# Altium PCB MB988.PcbDoc (part 4 of 4)
Units mil, origin at the board's own origin, x right, y up, seen from the top; angles counter-clockwise.
Board outline 4505 x 6805 mil, 4 copper layers (TopLayer, VCC, GND, BottomLayer), stack 71.6 mil thick; 546 components, 390 nets, 1907 pads, 809 vias.
Unrouted connection lines stored in the file: 2.
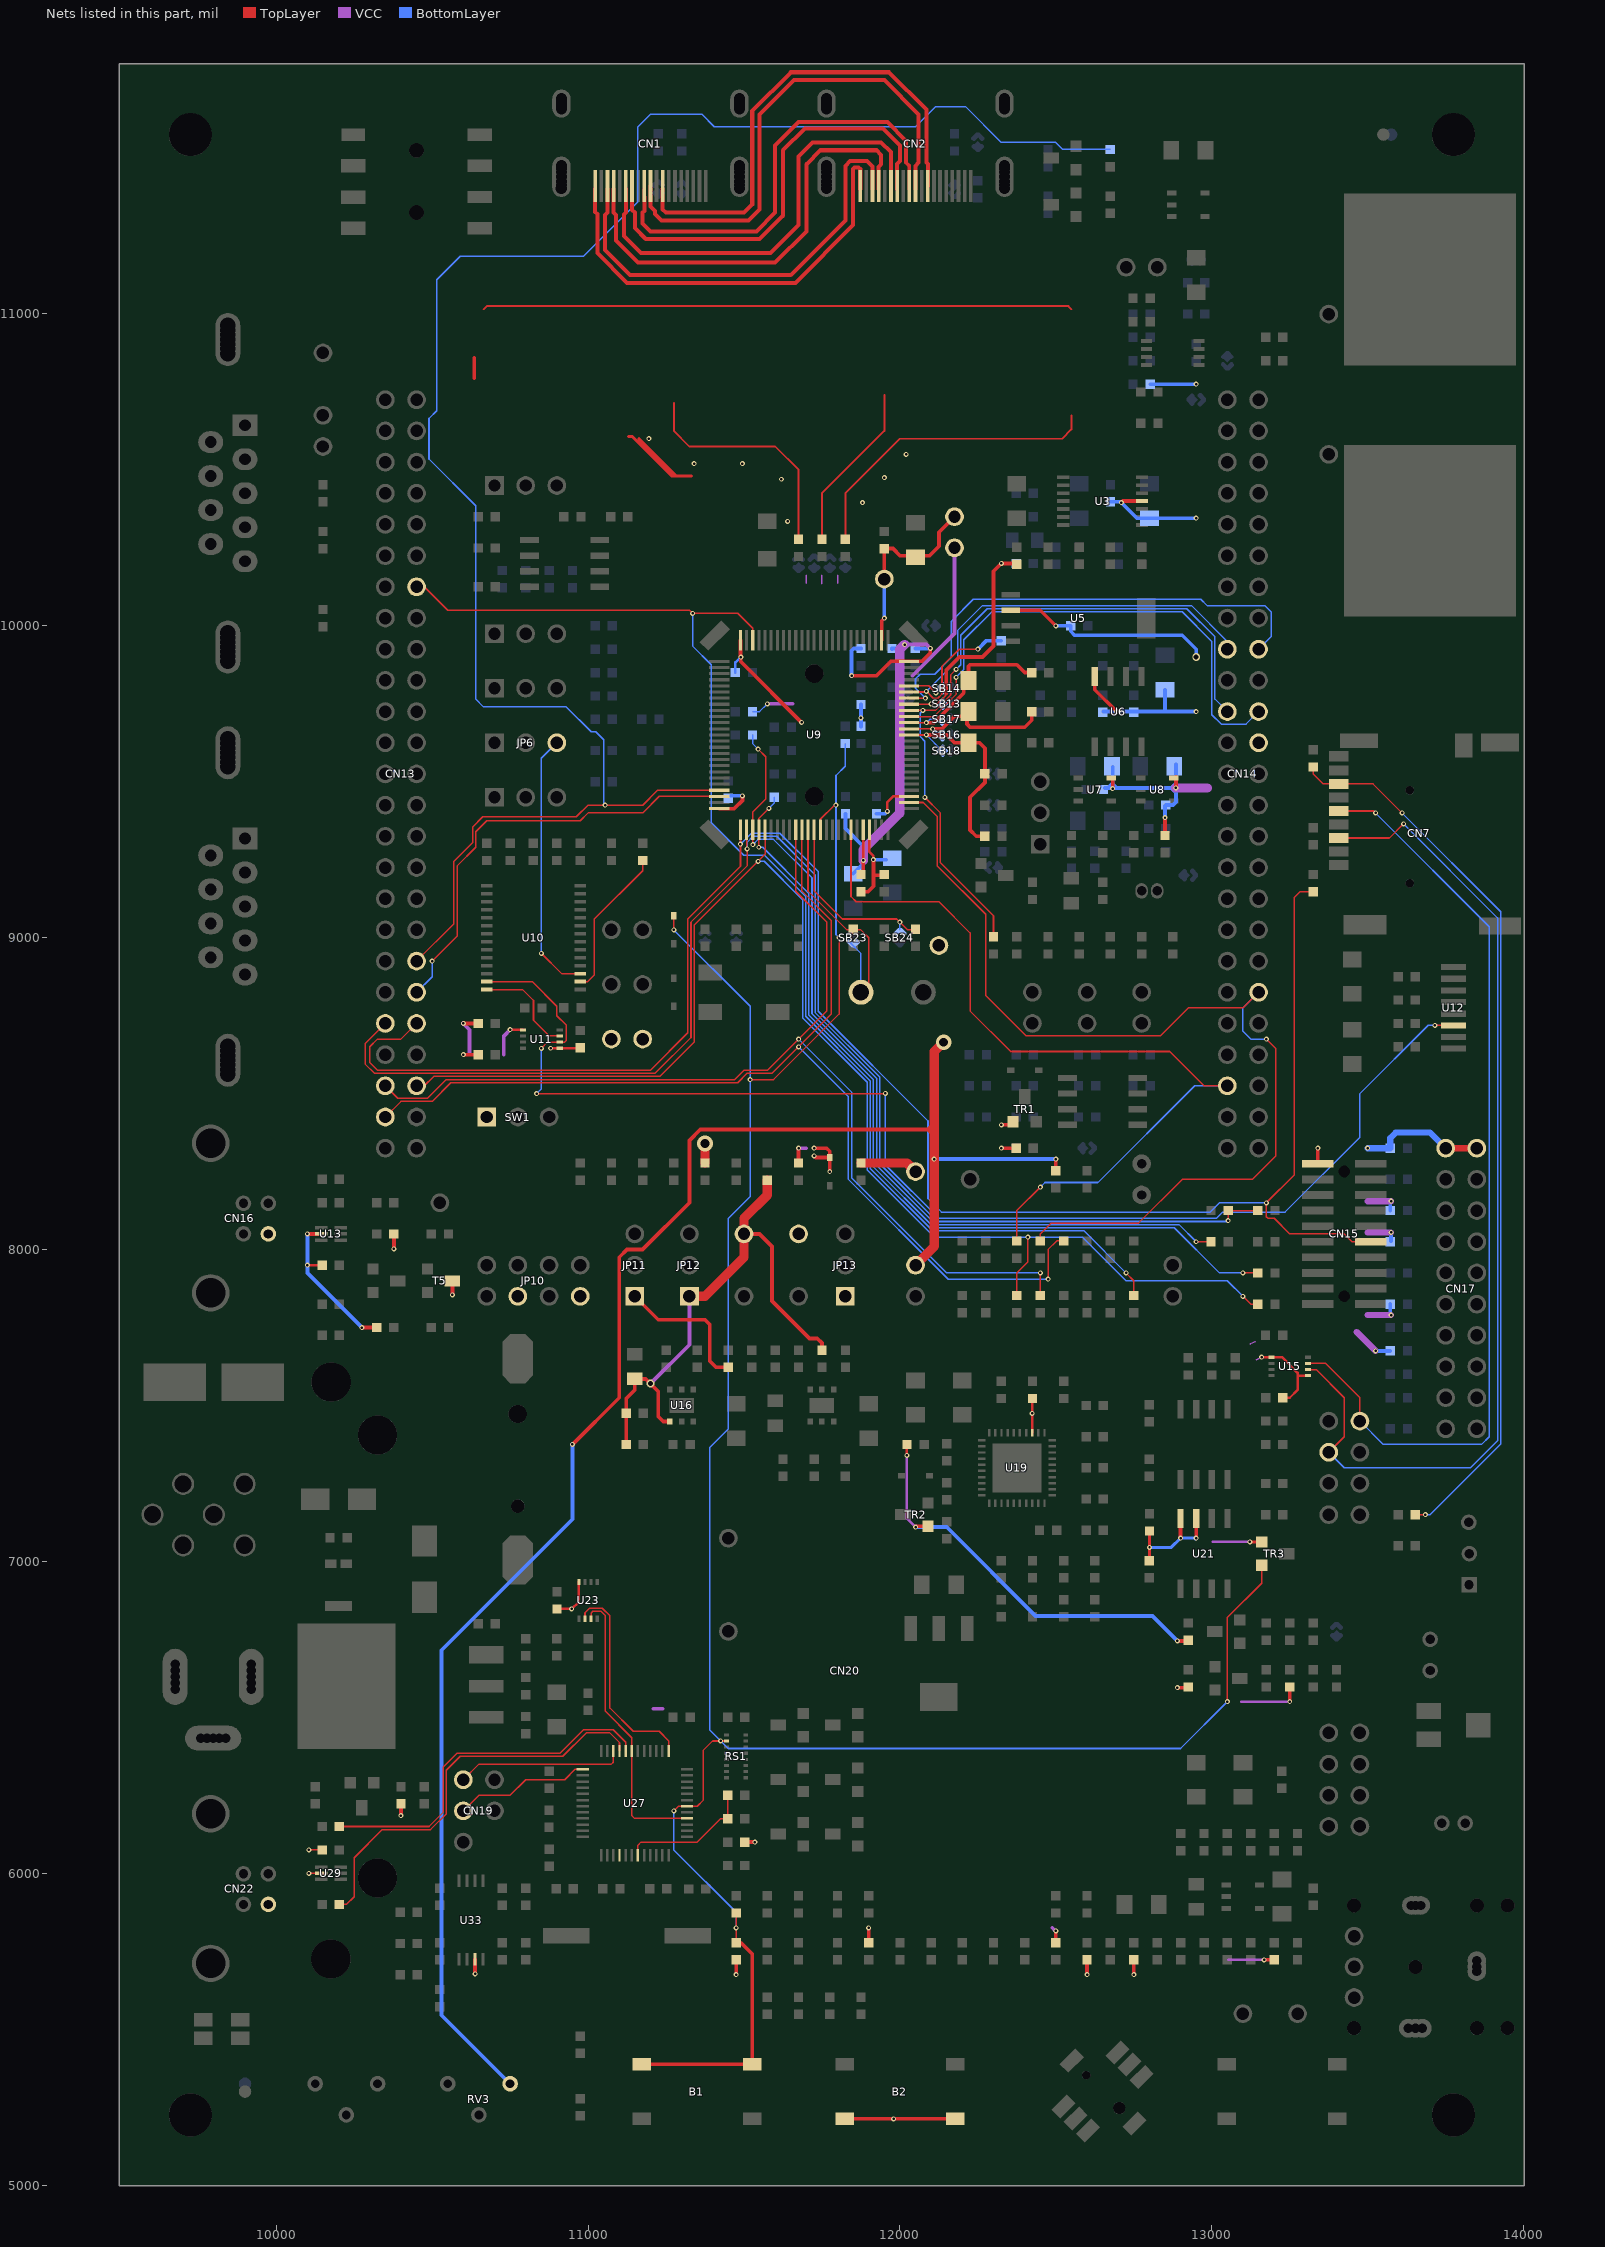
[diagram p6: the nets of this part, all layers, seen from the top]

## Via types
v1: diameter 16, hole 8, TopLayer to BottomLayer, tented both sides, 786 vias
v2: diameter 25, hole 16, TopLayer to BottomLayer, tented both sides, 20 vias
v3: diameter 50, hole 28, TopLayer to BottomLayer, tented both sides, 3 vias

## Nets (pads, with @x,y where several pads share a name; then routed paths per layer and width w, separated by ;. In a path a pad name is that pad's centre, name@x,y a point inside that pad or via, vN(x,y) a via of type N, cw(c..) or ccw(c..) an arc to the next point about the centre after c; other vN are vias at no path point) (continued)
PE0: CN13.38 R176.1 U9.97 | length 6058.2
  TopLayer w5: CN13.38@10450,8925 10570,9045 10570,9245 10630,9305 10630,9355 10662.5,9387.5 10962.5,9387.5 11000,9425 11175,9425 11222.83,9472.83 U9.97@11420.87,9472.83
  BottomLayer w5: v1(11055,9425) 11050,9430 11050,9635 11025,9660 11010,9660 10930,9740 10665,9740 10640,9765 10640,10385 10490,10535 10490,10665 10515,10690 10515,11110 10590,11185 10985,11185 11160,11360 11160,11600 11200,11640 11365,11640 11405,11600 12050,11600 12115,11665 12210,11665 12325,11550 12500,11550 12522.5,11527.5 R176.1@12675,11527.5
PE1: CN13.40 U9.98 | length 1421.4
  TopLayer w5: v1(10500,8925) 10580,9005 10580,9230 10640,9290 10640,9340 10675,9375 10975,9375 11000,9400 11175,9400 11228.15,9453.15 U9.98@11420.87,9453.15
  BottomLayer w5: CN13.40@10450,8825 10500,8875 v1(10500,8925)
PE2: CN13.42 CN15.12 R35.2 U9.1 | length 6154.1
  TopLayer w5: CN13.42@10450,8725 10400,8675 10325,8675 10300,8650 10300,8600 10325,8575 11200,8575 11320,8695 11320,9060 11488.78,9228.78 U9.1@11488.78,9345.87 ; R35.2@13325,9147.5 13282.5,9147.5 13265,9130 13265,8240 v1(13175,8150) 13175,8105 13180,8100 13200,8100 13250,8050 13425,8050 13450,8025 CN15.12@13510,8025
  BottomLayer w5: v1(11488.78,9300) 11523.78,9335 11615,9335 11738,9212 11738,8764.28 12090,8412.28 12090,8163.28 12133.28,8120 12995,8120 13025,8150 v1(13175,8150)
PE3: CN13.41 R60.2 R64.2 U9.2 | length 4638.8
  TopLayer w5: CN13.41@10350,8725 10285,8660 10285,8595 10315,8565 11215,8565 11330,8680 11330,9050 11510,9230 v1(11510,9285) 11508.46,9283.46 U9.2@11508.46,9345.87 ; v1(13052.5,8092.5) R60.2@13052.5,8125 R64.2@13147.5,8125
  BottomLayer w5: v1(11510,9285) 11510,9305 11530,9325 11605,9325 11728,9202 11728,8760.14 11935,8553.14 11935,8275 12120,8090 13050,8090 v1(13052.5,8092.5)
PE4: R29.2 R72.2 U9.3 | length 2816.3
  TopLayer w5: v1(11528.15,9298.15) 11528.15,9403.15 11570,9445 11570,9580 v1(11545,9605) ; v1(12950,8025) R72.2@12997.5,8025
  BottomLayer w5: R29.2@11527.5,9650 11527.5,9622.5 v1(11545,9605) ; v1(11528.15,9298.15) 11545,9315 11595,9315 11718,9192 11718,8756 11925,8549 11925,8270 12115,8080 12895,8080 v1(12950,8025)
PE5: R73.2 R83.2 U9.4 | length 2738.1
  TopLayer w5: v1(11547.83,9290) 11547.83,9382.83 v1(11580,9415) ; v1(13100,7925) R83.2@13147.5,7925
  BottomLayer w5: v1(11547.83,9290) 11560,9290 11708,9142 11708,8751.85 11915,8544.85 11915,8265 12110,8070 12880,8070 13025,7925 v1(13100,7925) ; v1(11580,9415) 11597.5,9432.5 R73.2@11597.5,9450
PE6: CN13.46 R85.2 R89.2 U9.5 | length 4502.4
  TopLayer w5: CN13.46@10450,8525 10475,8525 10505,8555 11230,8555 11340,8665 11340,9040 11567.52,9267.52 U9.5@11567.52,9345.87 ; R89.2@12375,7852.5 12375,7925 12410,7960 v1(12410,8040) ; v1(13100,7850) 13125,7825 R85.2@13147.5,7825
  BottomLayer w5: v1(11545,9245) 11565,9245 11688,9122 11688,8743.57 11895,8536.57 11895,8255 12110,8040 12585,8040 12725,7900 13050,7900 v1(13100,7850)
PE7: C11.1 C17.2 R34.1 SB18.2 U9.38 | length 665.4
  TopLayer w5: U9.38@12029.13,9650 v1(12085,9650)
  TopLayer w12: v1(12085,9650) 12150,9650 12175,9625 12255,9625 12272.5,9607.5 12272.5,9497.5 12225,9450 12225,9345 12245,9325 R34.1@12272.5,9325
  BottomLayer w5: v1(12085,9650) SB18.2@12132,9603
PE8: C10.1 R23.1 SB16.1 U9.39 | length 519.2
  TopLayer w5: U9.39@12029.13,9669.68 v1(12105,9669.68)
  TopLayer w12: v1(12105,9669.68) 12134.68,9669.68 12175,9710 C10.1@12220,9710 ; C10.1@12215,9710 12215,9685 12225,9675 12400,9675 12422.5,9697.5 R23.1@12422.5,9725
  BottomLayer w5: v1(12105,9669.68) SB16.1@12132,9642.68
PE9: C9.1 R21.1 SB17.1 U9.40 | length 570.1
  TopLayer w5: U9.40@12029.13,9689.37 v1(12085,9689.37)
  TopLayer w12: v1(12085,9689.37) 12109.37,9689.37 12205,9785 C9.1@12205,9825 ; C9.1@12220,9825 12220,9870 12225,9875 12375,9875 12400,9850 R21.1@12422.5,9850
  BottomLayer w5: v1(12085,9689.37) 12095.63,9700 12124,9700 SB17.1@12132,9708
PE10: CN14.22 U9.41 | length 1651.2
  TopLayer w5: U9.41@12029.13,9709.06 12109.06,9709.06 12180,9780 v1(12180,9835)
  BottomLayer w5: v1(12180,9835) 12205,9860 12205,9955 12295,10045 12905,10045 13000,9950 13000,9715 13030,9685 13110,9685 CN14.22@13150,9725
PE11: CN14.21 R39.1 U9.42 | length 2330.8
  TopLayer w5: U9.42@12029.13,9728.74 12113.74,9728.74 12162.4,9777.4 12162.4,9842.4 v1(12180,9860) ; v1(12080,9450) 12130,9400 12130,9240 12300,9070 R39.1@12300,9002.5
  BottomLayer w5: v1(12073.74,9728.74) 12065,9720 12065,9645 12080,9630 v1(12080,9450) ; v1(12180,9860) 12195,9875 12195,9970 12280,10055 12920,10055 13010,9965 13010,9765 CN14.21@13050,9725
PE12: R14.1 R183.1 SB13.2 U9.43 | length 797.8
  TopLayer w5: U9.43@12029.13,9748.42 v1@12100,9748.42 ; v1(12100,9750) 12120,9750 12145,9775 12145,9782.59 ; R14.1@12372.5,10197.5 R14.1@12375,10197.5
  TopLayer w12: 12148.5,9782.59 12148.5,9858.5 12190,9900 12265,9900 12300,9935 12300,10175 v1(12325,10200) R14.1@12372.5,10200
  BottomLayer w5: v1(12100,9750) SB13.2@12132,9750 ; v1(12325,10200) R183.1@12372.5,10200
PE13: CN14.18 U9.44 | length 1593.8
  TopLayer w5: U9.44@12029.13,9768.11 v1@12081.2,9768.11
  BottomLayer w5: v1(12081.55,9768.45) 12050,9800 12050,9830 12065,9845 12111.72,9845 12165,9898.28 12165,10015 12235,10085 12965,10085 12985,10065 13170,10065 13190,10045 13190,9965 CN14.18@13150,9925
PE14: CN14.17 R196.1 U9.45 | length 1641.5
  TopLayer w5: U9.45@12029.13,9787.8 12082.8,9787.8 v1(12085,9790) 12107.24,9767.76 12121.22,9767.76 12135,9781.54 12135,9870 12190,9925 v1(12250,9925)
  BottomLayer w5: v1(12085,9790) 12185,9890 12185,9985 12265,10065 12935,10065 13050,9950 CN14.17@13050,9925
  BottomLayer w12: v1(12250,9925) 12277.5,9952.5 R196.1@12325,9952.5
PE15: SB14.2 U9.46 | length 116.4
  TopLayer w5: U9.46@12029.13,9807.48 12092.52,9807.48 v1(12115,9785)
  BottomLayer w5: v1(12115,9785) SB14.2@12130,9800
PF0: C18.1 SB23.1 U9.12 X2.2 | length 808.9
  TopLayer w5: U9.12@11705.31,9345.87 11705.31,9149.69 11830,9025 11875,9025 11900,9000 11900,8850 X2.2@11875,8825
  BottomLayer w5: SB23.1@11842,8982 11875,8949 X2.2@11875,8825
PF1: R38.1 SB24.1 U9.13 | length 595.1
  TopLayer w5: U9.13@11725,9345.87 11725,9150 11815,9060 11990,9060 12025,9025 R38.1@12047.5,9025
  BottomLayer w5: SB24.1@12000,9025 v1(12000,9050)
PF2: CN14.45 R67.2 U9.19 | length 2756.9
  TopLayer w5: U9.19@11843.11,9345.87 11843.11,9131.89 11860,9115 12125,9115 12225,9015 12225,8765 12355,8635 12865,8635 12975,8525 CN14.45@13050,8525 ; R67.2@12375,8027.5 12375,8125 v1(12450,8200)
  BottomLayer w5: v1(12450,8200) 12465,8215 12635,8215 12945,8525 CN14.45@13050,8525
PF4: CN14.40 R68.2 U9.27 | length 3233.6
  TopLayer w5: U9.27@12029.13,9433.47 12075,9433.47 12120,9388.47 12120,9230 12275,9075 12275,8815 12405,8685 12835,8685 12925,8775 13100,8775 CN14.40@13150,8825 ; R68.2@12450,8027.5 12450,8050 12485,8085 12765,8085 12905,8225 13130,8225 13205,8300 13205,8645 v1(13175,8675)
  BottomLayer w5: CN14.40@13150,8825 13100,8775 13100,8700 13125,8675 v1(13175,8675)
PF6: CN13.14 R96.2 U9.73 | length 4267.3
  TopLayer w5: CN13.14@10450,10125 10475,10125 10550,10050 11325,10050 v1(11335,10040) 11480,10040 11528.15,9991.85 U9.73@11528.15,9954.13 ; v1(12725,7925) 12750,7900 R96.2@12750,7852.5
  BottomLayer w5: v1(11335,10040) 11335,9935 11395,9875 11395,9369.14 11499.57,9264.57 11565.43,9264.57 11698,9132 11698,8747.71 11905,8540.71 11905,8260 12105,8060 12590,8060 v1(12725,7925)
PF9: CN13.45 R91.2 U9.10 | length 3488.7
  TopLayer w5: CN13.45@10350,8525 10390,8485 10485,8485 10545,8545 11470,8545 11500,8575 11575,8575 11765,8765 11765,9050 11665.94,9149.06 U9.10@11665.94,9345.87 ; R91.2@12450,7852.5 v1(12450,7925)
  BottomLayer w5: v1(11675,8675) 11845,8505 11845,8230 12150,7925 v1(12450,7925)
PF10: CN13.47 R69.2 U9.11 | length 3616.9
  TopLayer w5: CN13.47@10350,8425 10400,8475 10500,8475 10560,8535 11480,8535 11510,8565 11590,8565 11780,8755 11780,9055 11685.63,9149.37 U9.11@11685.63,9345.87 ; v1(12475,7905) 12475,8000 12502.5,8027.5 R69.2@12525,8027.5
  BottomLayer w5: v1(11675,8650) 11835,8490 11835,8225 12155,7905 v1(12475,7905)
RESET#: B1.2 B1.3 C77.2 D1.1 R155.1 R203.2 RS1.3 TR3.1 U9.14 U27.18 | length 8053.2
  TopLayer w5: v1(11275,6200) 11290.16,6215.16 11350.16,6215.16 11370,6235 11370,6395 11399.21,6424.21 RS1.3@11444,6424.21 ; v1(11275,9025) D1.1@11275,9070 ; R155.1@11474.72,5777.78 C77.2@11474.72,5872.56 ; v1(11520,8545) 11595,8545 11805,8755 v1(11805,9000) ; U9.14@11744.68,9330 11744.68,9379.68 11790,9425 v1(11795,9425) ; v1(13050,6550) 13050,6820 13160,6930 TR3.1@13160,6987.5
  TopLayer w12: B1.2@11171.83,5387.5 B1.3@11526.17,5387.5 11526.17,5741.33 11490,5777.5 R155.1@11475,5777.5
  BottomLayer w5: v1(11275,6200) 11275,6075 11475,5875 v1(11475,5825) ; v1(11275,9025) 11520,8780 11520,8170 11450,8100 11450,7425 11390,7365 11390,6459.21 11449.21,6400 12900,6400 v1(13050,6550) ; v1(11795,9425) 11795.06,9425.06 11795.06,9520.06 11825,9550 R203.2@11825,9622.5 ; v1@11795.06,9425 11795.06,9009.94 v1(11805,9000)
  other v1: 11425,6424.21
SAR_VREF+: C20.2 C116.1 JP17.2 R32.2 TP5.1 U9.22 | length 772.2
  TopLayer w8: U9.22@11902.16,9345.87 11902.16,9275 11915,9262.16 v1(11915,9250)
  TopLayer w12: R32.2@11875,9147.5 11897.5,9147.5 11915,9165 v1(11915,9250) ; 11915,9200 C20.2@11947.85,9200
  VCC w12: 12040,9840 12175,9975 JP17.2@12175,10250
  BottomLayer w12: v1(11915,9250) C116.1@11955,9250
SD_VREF+: C4.2 C8.1 JP17.1 TP4.1 U9.52 | length 609.8
  TopLayer w12: U9.52@11941.53,9954.13 11941.53,10016.53 v1(11950,10025) ; TP4.1@11950,10150 11949.72,10150.28 C4.2@11949.72,10247.56 11977.44,10247.56 12000,10225 12095,10225 12125,10255 12125,10300 JP17.1@12175,10350
  BottomLayer w12: v1(11950,10025) TP4.1@11950,10150
SLD_1: R13.2 | length 2962.7
  TopLayer w6: 10665,11015 10675,11025 12540,11025 12550,11015 ; R13.2@11825,10277.5 11825,10425 12000,10600 12520,10600 12550,10630 12550,10675
  TopLayer w10: 10635,10793 10635,10860
SLD_2: R12.2 | length 545.3
  TopLayer w6: R12.2@11750,10277.5 11750,10425 11950,10625 11950,10740
SLD_3: R11.2 | length 764.3
  TopLayer w6: 11275,10715 11275,10625 11325,10575 11600,10575 11675,10500 R11.2@11675,10277.5
SPI3_MISO_3V3: CN7.7 R24.2 R247.2 | length 2881.7
  TopLayer w5: R24.2@13325,9547.5 13325,9525 13357.09,9492.91 13517.09,9492.91 v1(13610,9400) ; R247.2@13652.5,7150 v1(13685,7150)
  BottomLayer w5: v1(13610,9400) 13926.5,9083.5 13926.5,7376.5 13700,7150 v1(13685,7150)
SPI3_MOSI_3V3: CN7.3 CN20.3 U15.6 | length 3277.5
  TopLayer w5: U15.6@13309.06,7615.16 13334.84,7615.16 13425,7525 13425,7400 CN20.3@13375,7350 ; CN7.3@13406.65,9319.69 13569.69,9319.69 v1(13615,9365)
  BottomLayer w5: CN20.3@13375,7350 13425,7300 13830,7300 13916.5,7386.5 13916.5,9063.5 v1(13615,9365)
SPI3_SCK_3V3: CN7.5 CN20.2 U15.7 | length 3015
  TopLayer w5: U15.7@13309.06,7634.84 13365.16,7634.84 13475,7525 CN20.2@13475,7450 ; CN7.5@13406.65,9406.3 13518.7,9406.3 v1(13525,9400)
  BottomLayer w5: CN20.2@13475,7450 13550,7375 13865,7375 13890,7400 13890,9035 v1(13525,9400)
STL_USB_DM: R130.1 U27.32 | length 1175.6
  TopLayer w5: R130.1@10202.5,6150 10490,6150 10535,6195 10535,6340 10580,6385 10910,6385 10985,6460 11080.47,6460 11120.47,6420 U27.32@11120.47,6392.32
STL_USB_DP: R142.1 U27.33 | length 1321
  TopLayer w5: R142.1@10202.5,5900 10225,5900 10250,5925 10250,6050 10340,6140 10495,6140 10545,6190 10545,6330 10590,6375 10919.14,6375 10994.14,6450 11070,6450 11100.79,6419.21 U27.33@11100.79,6392.32
STM_JTCK_SWCLK: CN19.3 U27.37 | length 437.9
  TopLayer w5: CN19.3@10600,6200 10650,6250 10750,6250 10800,6300 10925,6300 10958.27,6333.27 U27.37@10982.68,6333.27
STM_JTMS_SWDIO: CN19.1 U27.34 | length 540.6
  TopLayer w5: CN19.1@10600,6300 10650,6350 11075,6350 11081.1,6356.1 U27.34@11081.1,6392.32
STM_RST: C63.2 R133.1 U27.7 | length 430.3
  TopLayer w5: U27.7@11159.84,6057.68 11159.84,6089.84 11170,6100 11350,6100 11425,6175 R133.1@11447.5,6175 ; R133.1@11447.56,6175.06 C63.2@11447.56,6250.28
SWIM_PU_CTRL: U27.4
T_SWDIO_IN: U23.2 U27.25 | length 675.5
  TopLayer w5: U23.2@10990.16,6815.94 10990.16,6835.16 11005,6850 11045.86,6850 11070,6825.86 11070,6530 11145,6455 11228.27,6455 11258.27,6425 U27.25@11258.27,6392.32
T_SWO: U23.3 U27.16 U27.31 | length 929.8
  TopLayer w5: U23.3@11009.84,6815.94 11009.84,6834.84 11015,6840 11041.72,6840 11055,6826.72 11055,6520 11140.16,6434.84 11140.16,6184.84 11149.21,6175.79 U27.16@11317.32,6175.79
"TMDS CLOCK+": CN1.10 CN2.10 | length 1604.3
  TopLayer w13: CN1.10@11200,11410 11200,11345 11214.74,11330.26 11214.74,11320.26 11235,11300 11515,11300 11550,11335 11550,11640 11660,11750 11950,11750 12060,11640 12060,11485 12050,11475 CN2.10@12050,11400
"TMDS CLOCK-": CN1.12 CN2.12 | length 1573.1
  TopLayer w13: CN1.12@11239.37,11400 11239.37,11335.63 11250,11325 11500,11325 11526.46,11351.46 11526.46,11651.46 11650,11775 11965,11775 12085,11655 12085,11485 12089.37,11480.63 CN2.12@12089.37,11410
"TMDS DATA0+": CN1.7 CN2.7 | length 1429.8
  TopLayer w13: CN1.7@11140.94,11400 11140.94,11334.06 11150,11325 11150,11275 11185,11240 11550,11240 11625,11315 11625,11525 11695,11595 11945,11595 12000,11540 12000,11490 11990.94,11480.94 CN2.7@11990.94,11400
"TMDS DATA0-": CN1.9 CN2.9 | length 1422.6
  TopLayer w12: CN1.9@11180.31,11375 CN1.9@11180.31,11400 ; 12020,11485 12030.31,11474.69 CN2.9@12030.31,11400
  TopLayer w13: CN1.9@11180.31,11375 11180.31,11330.31 11175,11325 11175,11290 11200,11265 11540,11265 11600,11325 11600,11540 11675,11615 11960,11615 12020,11555 12020,11485
"TMDS DATA1+": CN1.4 CN2.4 | length 1441.7
  TopLayer w13: CN1.4@11081.89,11400 11081.89,11325 11090,11316.89 11090,11235 11160,11165 11600,11165 11700,11265 11700,11480 11745,11525 11924.54,11525 11940,11509.54 11940,11480 11931.89,11471.89 CN2.4@11931.89,11400
"TMDS DATA1-": CN1.6 CN2.6 | length 1419.2
  TopLayer w13: CN1.6@11121.26,11400 11121.26,11325 11115,11318.74 11115,11250 11170,11195 11585,11195 11675,11285 11675,11505 11720,11550 11940,11550 11971.26,11518.74 CN2.6@11971.26,11420
"TMDS DATA2+": CN1.1 CN2.1 | length 1415.9
  TopLayer w13: CN1.1@11022.83,11400 11022.83,11327.17 11030,11320 11030,11195 11125,11100 11665,11100 11850,11285 11850,11465 11855,11470 11867.83,11470 11872.83,11465 CN2.1@11872.83,11400
"TMDS DATA2-": CN1.3 CN2.3 | length 1421.9
  TopLayer w12: CN2.3@11912.2,11400 CN2.3@11912.2,11420
  TopLayer w13: CN1.3@11062.2,11400 11062.2,11325 11055,11317.8 11055,11205 11135,11125 11650,11125 11825,11300 11825,11475 11840,11490 11895,11490 11912.2,11472.8 CN2.3@11912.2,11420
TS_SHIELD: R31.2 | length 641
  TopLayer w10: 11130,10607.06 11141.94,10607.06 11269,10480 11332,10480 ; 11163,10600 11283,10480
  VCC w5: 11700,10137.39 11700,10162.61 ; 11750,10135.4 11750,10162.61 ; 11800,10137.39 11800,10162.61
  VCC w12: v1(11575,9750) 11655.62,9750 11656,9750.38
  BottomLayer w5: R31.2@11527.5,9725 11550,9725 v1(11575,9750)
  other v1: 11640,10335 11880,10395 11620,10470 11950,10475 11340,10520 11495,10520 12020,10550 11195,10600
U5V: C122.1 CN16.1 JP10.3 R86.1 U13.5 | length 532.5
  TopLayer w8: v1(10100,7950) 10100.28,7949.72 C122.1@10147.44,7949.72
  TopLayer w12: v1(10100,8050) U13.5@10143.7,8050 ; v1(10275,7750) R86.1@10322.5,7750
  VCC w12: JP10.3@10775,7850 JP10.3@10790,7835
  BottomLayer w12: v1(10100,8050) 10100,7925 v1(10275,7750)
U5V_ST_LINK: C134.1 CN22.1 JP10.7 R131.1 U29.5 | length 121.2
  TopLayer w5: v1(10105,6000) U29.5@10143.7,6000 ; v1(10105,6075) C134.1@10150,6075
  TopLayer w12: v1(10400,6185) R131.1@10400,6222.5
USART2_CTS: R210.2 U10.16 | length 485.7
  TopLayer w5: U10.16@10974.61,8859.25 10999.25,8859.25 11020,8880 11020,9060 11175,9215 R210.2@11175,9247.5
USART2_RTS: U10.14 U11.7 | length 332.6
  TopLayer w5: U10.14@10675.39,8833.66 10790,8833.66 10825,8798.66 10825,8735 10875.16,8684.84 U11.7@10909.06,8684.84
USART2_RXD: JP6.3 U10.17 | length 847.3
  TopLayer w5: v1(10850,8950) 10915.16,8884.84 U10.17@10974.61,8884.84
  BottomLayer w5: v1(10850,8950) 10850,9575 JP6.3@10900,9625
USART2_TXD: U10.13 U11.6 U12.3 | length 4199.1
  TopLayer w5: U10.13@10675.39,8859.25 10820.75,8859.25 10900,8780 10900,8750 10930,8720 10930,8670 10925.16,8665.16 10870.16,8665.16 v1(10850,8645) ; v1(10835,8500) v1@11952.01,8500 ; v1(13715,8718.9) U12.3@13775,8718.9
  BottomLayer w5: v1(10835,8500) 10850,8515 v1(10850,8645) ; v1(11953.16,8501.15) 11953.16,8271.84 12125,8100 13015,8100 13035,8120 13235,8120 13475,8360 13475,8500 13693.9,8718.9 v1(13715,8718.9)
VDD: B2.1 B2.4 C44.1 C119.2 C125.2 C129.1 C131.1 CN14.24 CN15.1 CN17.1 CN17.2 JP11.1 JP15.2 R46.2 R47.2 R50.2 R55.1 R65.2 R102.1 R108.2 R117.1 R122.2 R124.1 R134.1 R155.2 R158.1 R162.1 R167.2 R169.1 R224.2 R225.2 R227.2 R228.2 R231.2 R236.1 R245.2 SW1.1 T5.3 TP10.1 TR1.2 TR2.2 TR3.2 U11.1 U11.5 U15.1 U15.5 U19.33 U21.7 U21.8 U23.8 U33.3 | length 5577.8
  TopLayer w8: v1@10750.47,8704.53 U11.1@10790.94,8704.53 ; v1(10880,8645.47) C119.2@10972.63,8645.47 ; C131.1@10900.28,6847.44 v1(10947.44,6847.44) 10970.47,6870.47 U23.8@10970.47,6934.06 ; v1(12022.5,7340) R108.2@12022.5,7375 ; U19.33@12424.21,7412.99 C44.1@12424.21,7521.37 ; v1(13160,7655) 13224.53,7655 13275,7604.53 13275,7549.72 13250,7524.72 C125.2@13227.56,7524.72 ; 13275,7595 13308.58,7595 U15.5@13309.06,7595.47
  TopLayer w10: JP11.1@11150,7850 11225,7775 ; R236.1@12800.28,7002.78 C129.1@12800.28,7097.44 ; v1(13122.5,7062.5) TR3.2@13160,7062.5
  TopLayer w12: v1(10377.5,8002.5) R65.2@10377.5,8050 ; v1(10565,7855) T5.3@10565,7899.5 ; v1(10600,8625) R47.2@10647.5,8625 ; v1(10600,8725) R46.2@10647.5,8725 ; v1(10637.8,5677.2) U33.3@10637.8,5724.02 ; 11225,7775 11375,7775 11390,7760 11390,7642.5 11410,7622.5 R102.1@11450,7622.5 ; v1(11475,5675) R155.2@11475,5722.5 ; R134.1@11502.5,6100 v1(11535,6100) ; B2.1@11822.83,5212.5 B2.4@12177.17,5212.5 ; R158.1@11900,5777.5 v1(11900,5825) ; v1(12050,7110) 12052.5,7112.5 TR2.2@12090,7112.5 ; v1(12325,8325) R50.2@12372.5,8325 ; v1(12325,8400) TR1.2@12355,8400 ; R162.1@12500,5777.5 v1(12500,5815) ; v1(12600,5675) R167.2@12600,5722.5 ; v1(12750,5675) R169.1@12750,5722.5 ; v1(12890,6595) R122.2@12925,6595 ; v1(12890,6745) R117.1@12925,6745 ; v1(12900,7075) U21.8@12900,7137.5 ; v1(12950,7075) U21.7@12950,7137.5 ; v1(13167.5,5722.5) R245.2@13200,5722.5 ; v1(13250,6550) R124.1@13250,6597.5 ; CN15.1@13340,8275 v1(13340,8325)
  TopLayer w20: CN17.1@13750,8325 CN17.2@13850,8325